# KiCad board m-blanc.kicad_pcb (continued)
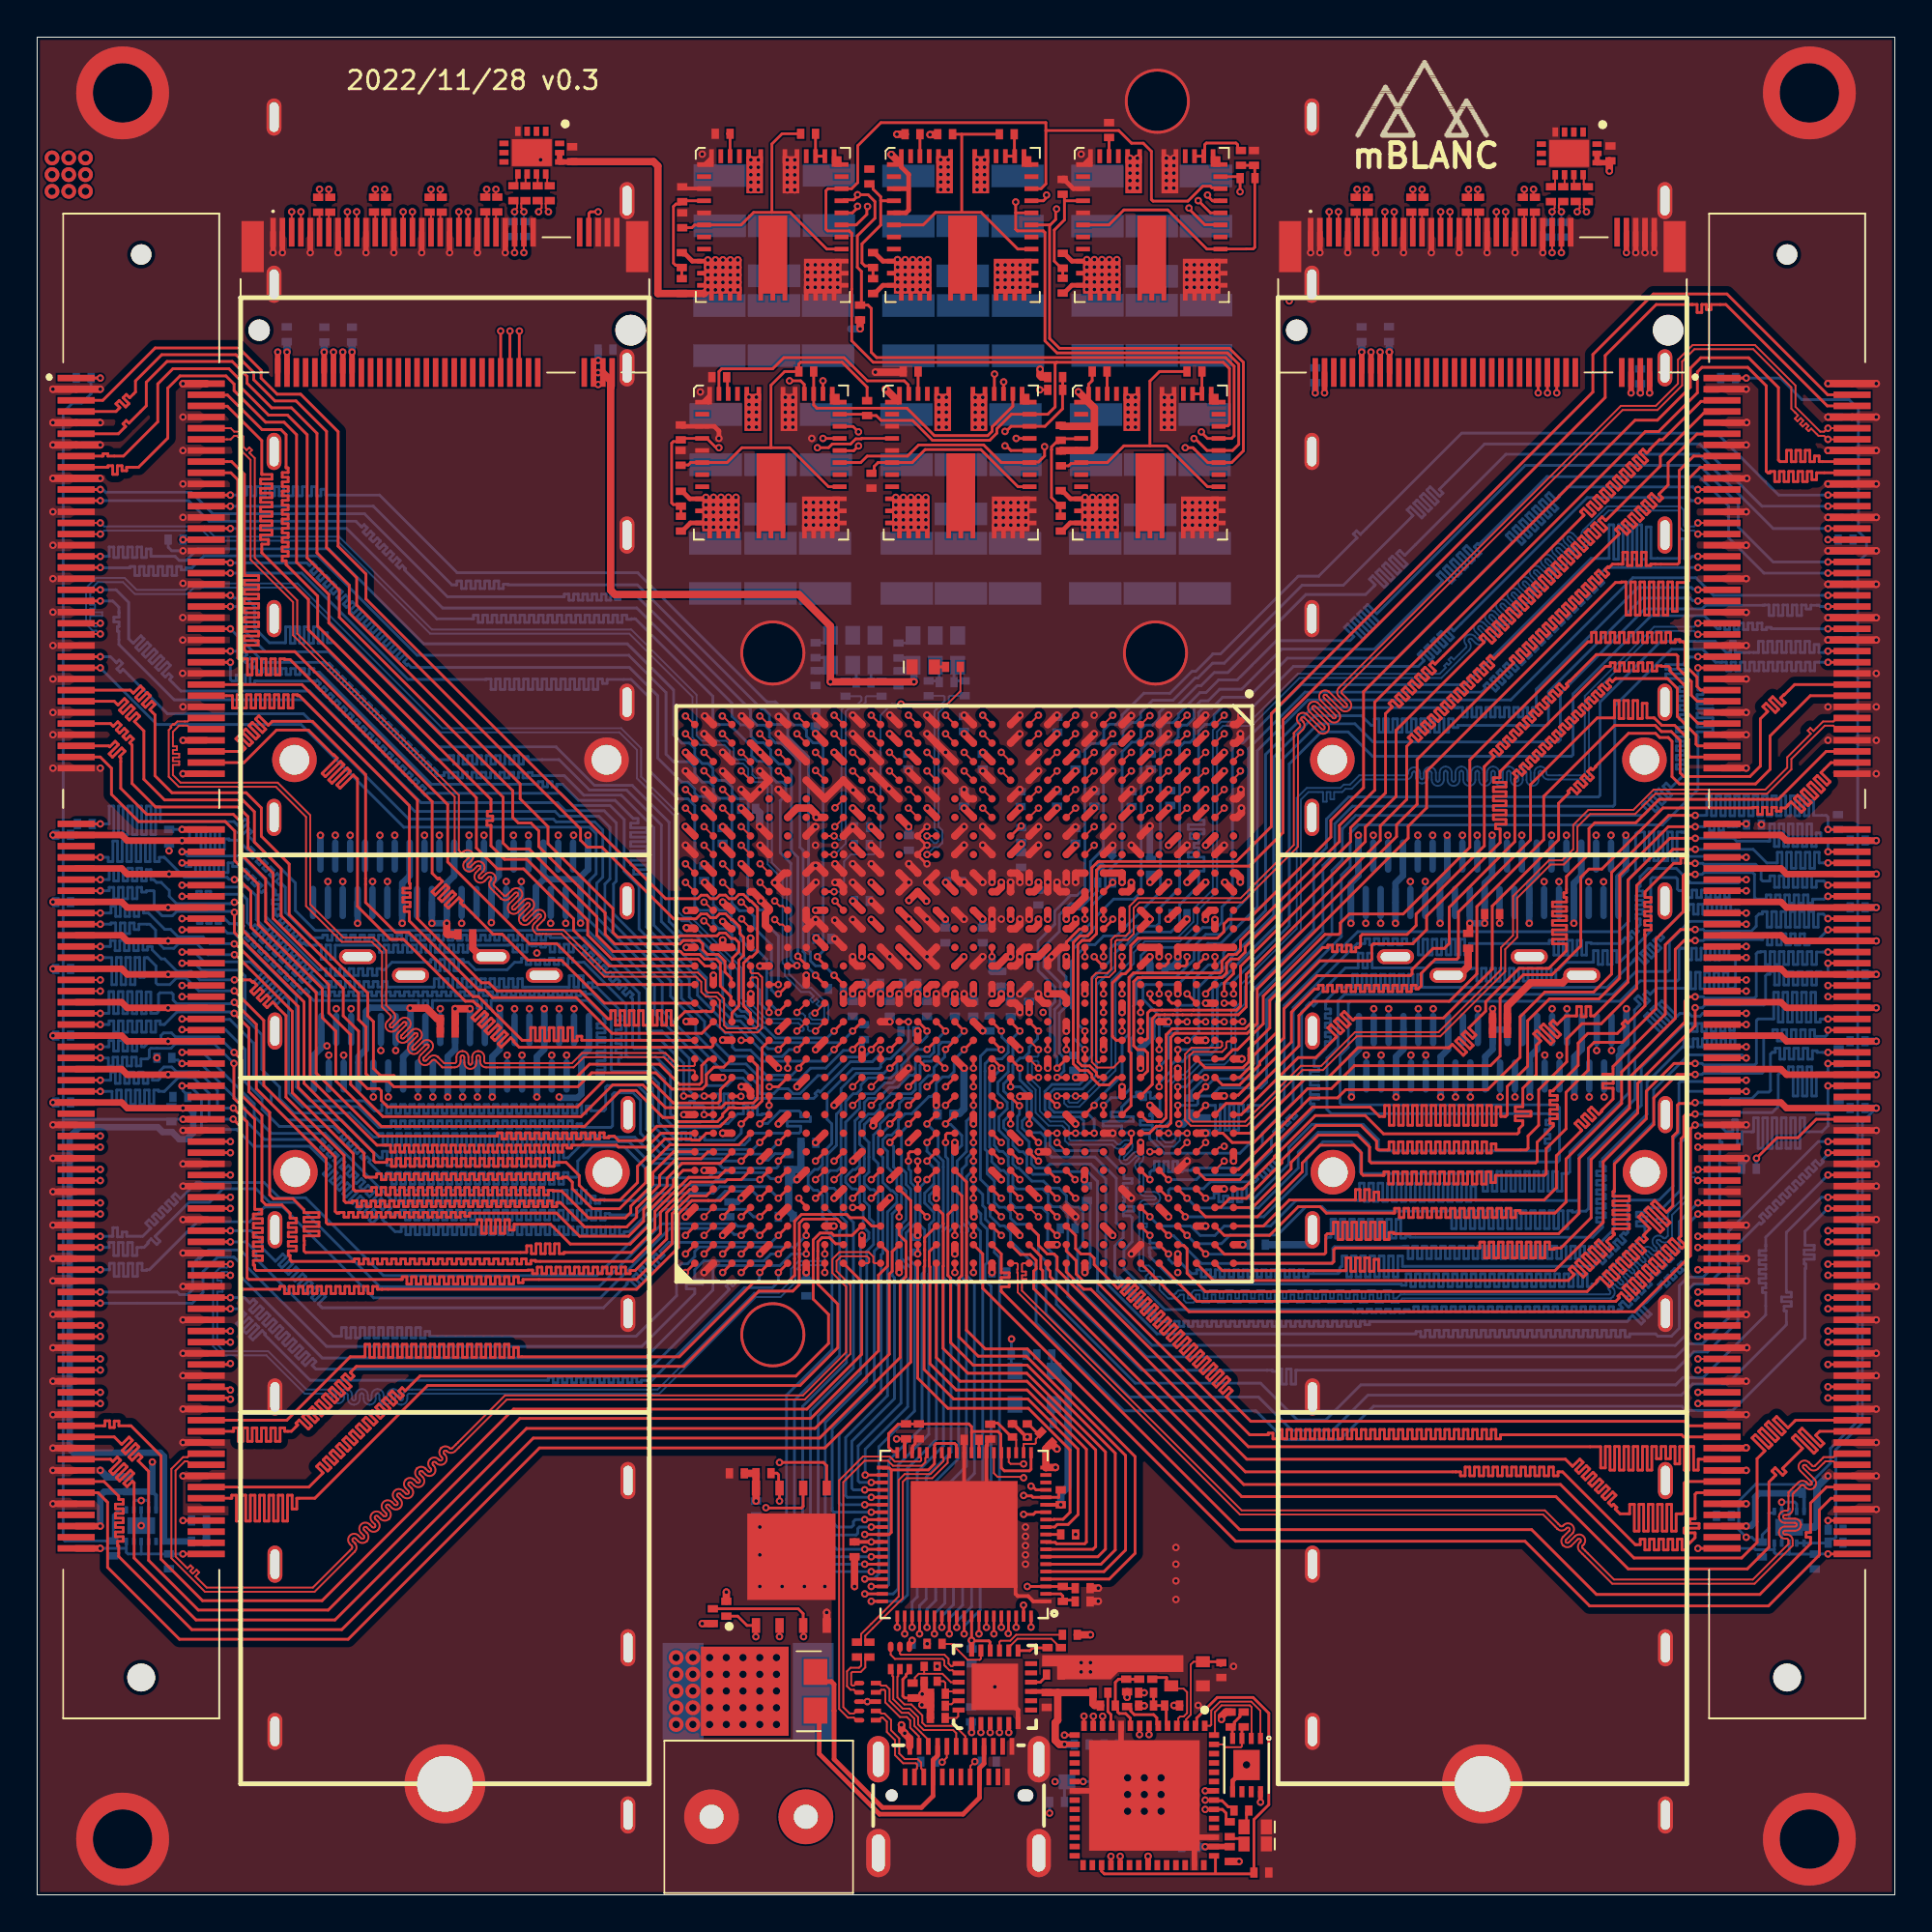
[diagram p0: board, top side]
## Routing (per net, layer and track width the routed paths; a pad name or vN(x,y) marks a point on that pad's centre or on a via; arc(x,y) is an arc through that point) (continued)
DRAM2_DQ18: length 65.1
  Top Layer w0.15: 89.33,66.65 90.7,66.65 DIMM2.51 ; U1.D22 v1(61.4,42.5)
  Bottom Layer w0.15: v1(89.4,66.65) 89.38,66.63 88.97,66.63 88.68,66.34 88.68,66.23 87.67,66.23 87.67,65.98 88.68,65.98 88.68,65.73 87.67,65.73 87.67,65.48 88.68,65.48 88.68,65.03 88.41,65.03 88.41,64.78 88.7,64.78 88.7,64.53 88.41,64.53 88.41,64.28 88.7,64.28 88.7,64.03 88.41,64.03 88.41,63.78 88.7,63.78 88.7,63.53 88.41,63.53 88.41,63.28 88.68,63.28 88.68,62.85 88.24,62.85 88.24,62.6 88.68,62.6 88.68,62.35 88.24,62.35 88.24,62.1 88.68,62.1 88.68,61.85 88.24,61.85 88.24,61.6 88.68,61.6 88.68,61.35 88.24,61.35 88.24,61.1 88.68,61.1 88.68,60.85 88.24,60.85 88.24,60.6 88.68,60.6 88.68,60.33 87.95,59.6 87.7,59.85 87.52,59.67 87.99,59.2 87.82,59.02 87.29,59.54 87.12,59.37 87.64,58.84 87.46,58.67 86.94,59.19 86.76,59.01 87.29,58.49 87.11,58.31 86.59,58.84 86.41,58.66 86.71,58.36 86.46,58.11 70.98,58.11 70.26,57.38 70.26,55.7 69.7,55.15 69.7,51.71 66.19,48.19 66.19,43.74 65.88,43.43 63.63,43.43 63.21,43.01 62.57,43.01 62.48,42.92 62.48,42.59 62.4,42.5 v1(61.4,42.5)
DRAM2_DQ19: length 64.2
  Top Layer w0.15: U1.C22 v1(62.9,42.5) ; v1(89.4,66.05) DIMM2.53
  Bottom Layer w0.15: v1(62.9,42.5) 63.43,42.5 63.43,41.17 63.68,41.17 63.68,42.54 63.93,42.54 63.93,41.17 64.18,41.17 64.18,42.54 64.43,42.54 64.43,41.17 64.68,41.17 64.68,42.54 64.93,42.54 64.93,42.18 65.18,42.18 65.18,42.5 65.93,42.5 66.7,43.27 66.7,48.07 70.2,51.58 70.2,54.9 70.68,55.37 70.68,57.15 71.13,57.6 87.5,57.6 89.4,59.5 89.4,62.36 89.35,62.36 89.35,62.61 90.2,62.61 90.2,62.86 89.35,62.86 89.35,63.11 90.2,63.11 90.2,63.36 89.35,63.36 89.35,63.61 90.2,63.61 90.2,63.86 89.35,63.86 89.35,64.11 90.2,64.11 90.2,64.36 89.35,64.36 89.35,64.61 89.67,64.61 89.67,64.86 89.4,64.86 v1(89.4,66.05)
DRAM2_DQ20: length 57.2
  Top Layer w0.15: v1(60.4,45.5) U1.E18 ; v1(96.4,69.95) DIMM2.40
  Bottom Layer w0.15: v1(96.4,69.95) 90.24,69.95 89.29,70.9 85.9,70.9 79.32,64.32 68.41,64.32 65.68,61.59 65.68,53.17 63.72,51.22 63.02,51.22 62.53,50.73 62.53,50.12 61.41,49 59.66,49 59.53,48.87 59.53,48.21 60.4,47.33 v1(60.4,45.5)
DRAM2_DQ21: length 61
  Top Layer w0.15: U1.D19 v1(61.4,45.5) ; v1(96.4,69.35) DIMM2.42
  Bottom Layer w0.15: v1(61.4,45.5) 63.02,45.5 63.28,45.75 63.28,49.07 63.65,49.44 63.95,49.44 66.96,52.45 66.96,61.04 68.95,63.04 70.93,63.04 71.91,62.06 81.88,62.06 81.99,62.18 81.99,64.67 86.54,69.23 89.63,69.23 89.82,69.42 92.98,69.42 92.98,69.43 93.23,69.43 93.23,68.87 93.48,68.87 93.48,69.43 93.73,69.43 93.73,68.87 93.98,68.87 93.98,69.43 94.23,69.43 94.23,68.87 94.48,68.87 94.48,69.43 94.73,69.43 94.73,68.87 94.98,68.87 94.98,69.43 95.23,69.43 95.23,69.22 95.48,69.22 95.48,69.42 95.92,69.42 95.99,69.35 v1(96.4,69.35)
DRAM2_DQ22: length 64.7
  Top Layer w0.15: U1.D21 v1(61.4,43.5) ; v1(96.4,66.95) DIMM2.50
  Bottom Layer w0.15: v1(61.4,43.5) 61.86,43.5 62.77,44.42 65.12,44.42 65.35,44.65 65.35,48.61 68.72,51.98 68.72,55.69 69.4,56.37 69.4,57.9 70.6,59.1 84.04,59.1 84.13,59.19 84.13,64.21 87.4,67.48 89.24,67.48 89.24,67.48 89.56,67.48 89.56,67.48 90.32,67.48 90.92,66.88 91.16,66.88 91.16,67.48 91.41,67.48 91.41,66.87 91.66,66.87 91.66,66.88 91.91,66.88 91.91,66.87 92.16,66.87 92.16,66.88 92.41,66.88 92.41,66.87 92.66,66.87 92.66,67.48 92.91,67.48 92.91,66.87 93.16,66.87 93.16,67.48 93.41,67.48 93.41,66.87 93.66,66.87 93.66,67.48 93.91,67.48 93.91,66.87 94.16,66.87 94.16,67.48 94.41,67.48 94.41,66.87 94.66,66.87 94.66,67.48 94.91,67.48 94.91,66.87 95.16,66.87 95.16,67.48 95.41,67.48 95.41,66.87 95.66,66.87 95.66,67.3 95.91,67.3 95.91,66.88 96.19,66.88 96.21,66.9 96.35,66.9 v1(96.4,66.95)
DRAM2_DQ23: length 63.4
  Top Layer w0.15: U1.C21 v1(62.9,43.5) ; v1(96.4,66.35) DIMM2.52
  Bottom Layer w0.15: v1(62.9,43.5) 62.93,43.5 63.36,43.93 65.44,43.93 65.7,44.19 65.7,48.35 69.22,51.86 69.22,55.42 69.85,56.05 69.85,57.65 70.8,58.6 84.83,58.6 84.92,58.69 84.92,64 87.97,67.05 89.65,67.05 90.35,66.35 90.68,66.35 90.68,66.36 90.93,66.36 90.93,65.89 91.18,65.89 91.18,66.36 91.43,66.36 91.43,65.89 91.68,65.89 91.68,66.36 91.93,66.36 91.93,65.89 92.18,65.89 92.18,66.36 92.43,66.36 92.43,65.89 92.68,65.89 92.68,66.36 92.93,66.36 92.93,65.89 93.18,65.89 93.18,66.36 93.43,66.36 93.43,65.89 93.68,65.89 93.68,66.36 93.93,66.36 93.93,65.89 94.18,65.89 94.18,66.36 94.43,66.36 94.43,65.89 94.68,65.89 94.68,66.36 94.93,66.36 94.93,65.89 95.18,65.89 95.18,66.36 95.43,66.36 95.43,65.89 95.68,65.89 95.68,66.36 95.93,66.36 95.93,66.35 v1(96.4,66.35)
DRAM2_DQ24: length 52.6
  Top Layer w0.15: U1.B19 63.87,45 64.37,45.5 64.61,45.5 66,46.89 66,48.38 69.32,51.7 70.06,51.7 70.15,51.79 70.15,52.32 70.63,52.8 73.53,52.8 77.12,56.39 77.12,61.09 83.48,67.45 83.67,67.45 83.67,67.96 83.92,67.96 83.92,67.41 84.17,67.41 84.17,67.96 84.42,67.96 84.42,67.41 84.67,67.41 84.67,67.96 84.92,67.96 84.92,67.41 85.17,67.41 85.17,67.96 85.42,67.96 85.42,67.41 85.67,67.41 85.67,67.96 85.92,67.96 85.92,67.41 86.17,67.41 86.17,67.96 86.42,67.96 86.42,67.41 86.67,67.41 86.67,67.96 86.92,67.96 86.92,67.41 87.17,67.41 87.17,67.96 87.42,67.96 87.42,67.41 87.67,67.41 87.67,67.96 87.92,67.96 87.92,67.41 88.17,67.41 88.17,67.57 88.42,67.57 88.42,67.45 88.61,67.45 88.7,67.36 88.7,66.2 89.35,65.55 89.35,65.05 89.55,64.85 DIMM2.57
DRAM2_DQ25: length 55.6
  Top Layer w0.15: U1.C19 62.87,44.53 64.91,44.53 65.23,44.84 65.23,45.54 66.35,46.66 66.35,48.15 69.2,51 69.48,51 69.48,51.12 69.73,51.12 69.73,50.77 69.98,50.77 69.98,51.12 70.23,51.12 70.23,50.77 70.48,50.77 70.48,51.12 70.73,51.12 70.73,50.77 70.98,50.77 70.98,51 71.15,51 71.24,51.08 71.24,51.61 71.33,51.7 73.75,51.7 74.23,52.18 74.23,52.8 77.9,56.46 77.9,60.73 78.44,61.27 78.22,61.48 78.4,61.66 78.7,61.36 78.88,61.53 78.58,61.84 78.75,62.01 79.06,61.71 79.23,61.89 78.93,62.19 79.11,62.37 79.41,62.06 79.59,62.24 79.28,62.54 79.46,62.72 79.76,62.42 79.94,62.59 79.64,62.9 79.81,63.07 80.12,62.77 80.3,62.95 79.99,63.25 80.17,63.43 80.47,63.12 80.65,63.3 80.35,63.6 80.52,63.78 80.83,63.48 81,63.65 80.7,63.96 80.88,64.13 81.18,63.83 81.36,64.01 81.05,64.31 81.23,64.49 81.53,64.18 81.71,64.36 81.41,64.66 81.58,64.84 81.89,64.54 82.06,64.71 81.76,65.02 81.94,65.19 82.24,64.89 82.42,65.07 82.31,65.17 82.49,65.35 82.5,65.33 83.93,66.76 88.23,66.76 88.32,66.68 88.32,66.04 89.04,65.31 89.04,64.57 89.37,64.25 DIMM2.59
DRAM2_DQ26: length 55.5
  Top Layer w0.15: DIMM2.67 89.39,61.85 89.3,61.94 89.3,62.42 88.29,63.43 88.29,64.94 87.76,65.47 84.96,65.47 84.79,65.3 84.65,65.44 84.48,65.26 84.7,65.04 84.53,64.86 84.23,65.15 84.06,64.98 84.35,64.68 84.17,64.51 83.88,64.8 83.7,64.62 84,64.33 83.82,64.15 83.52,64.45 83.35,64.27 83.64,63.98 83.47,63.8 83.17,64.09 82.99,63.92 83.29,63.62 83.11,63.44 82.82,63.74 82.64,63.56 82.94,63.27 82.76,63.09 82.46,63.39 82.29,63.21 82.58,62.91 82.41,62.74 82.11,63.03 81.93,62.86 82.23,62.56 82.05,62.38 81.76,62.68 81.58,62.5 81.88,62.21 81.7,62.03 81.4,62.33 81.23,62.15 81.52,61.85 81.35,61.68 81.05,61.97 80.87,61.8 81.17,61.5 80.99,61.32 80.7,61.62 80.52,61.44 80.82,61.15 80.64,60.97 80.34,61.27 80.17,61.09 80.46,60.79 80.28,60.62 79.99,60.91 79.81,60.74 80.11,60.44 79.93,60.26 79.64,60.56 79.46,60.38 79.67,60.17 79.54,60.05 79.54,56.69 76.01,53.17 76.01,51.21 75.75,50.95 75.14,50.95 74.01,49.81 74.01,49.57 73.92,49.48 68.9,49.48 67.11,47.69 67.11,46.13 65.81,44.83 65.81,44.69 64.72,43.6 63.8,43.6 U1.B20
DRAM2_DQ27: length 55.3
  Top Layer w0.15: U1.A21 64.45,43.05 64.65,43.05 67.52,45.91 67.52,47.52 68.77,48.77 68.97,48.77 68.97,48.97 69.22,48.97 69.22,48.62 69.47,48.62 69.47,48.97 69.72,48.97 69.72,48.62 69.97,48.62 69.97,48.97 70.22,48.97 70.22,48.62 70.47,48.62 70.47,48.97 70.72,48.97 70.72,48.62 70.97,48.62 70.97,48.97 71.22,48.97 71.22,48.62 71.47,48.62 71.47,48.97 71.72,48.97 71.72,48.62 71.97,48.62 71.97,48.97 72.22,48.97 72.22,48.62 72.47,48.62 72.47,48.97 72.72,48.97 72.72,48.62 72.97,48.62 72.97,48.97 73.22,48.97 73.22,48.62 73.47,48.62 73.47,48.97 73.72,48.97 73.72,48.62 73.97,48.62 73.97,48.97 74.22,48.97 74.22,48.77 74.34,48.77 74.5,48.92 74.5,49.6 75.26,50.36 76.42,50.36 76.51,50.45 76.51,52.91 80.39,56.79 80.39,59.77 83.98,63.36 84.9,63.36 84.9,64.29 85.15,64.29 85.15,63.32 85.4,63.32 85.4,64.29 85.65,64.29 85.65,63.32 85.9,63.32 85.9,64.29 86.15,64.29 86.15,63.32 86.4,63.32 86.4,64.14 86.65,64.14 86.65,63.36 87.05,63.36 87.45,62.95 88.15,62.95 88.9,62.2 88.9,61.34 88.99,61.25 DIMM2.69
DRAM2_DQ28: length 56
  Top Layer w0.15: DIMM2.56 94.61,65.15 94.04,64.59 94.02,64.6 93.85,64.43 94.1,64.18 93.92,64 93.42,64.5 93.25,64.32 93.74,63.82 93.57,63.65 93.07,64.14 92.89,63.97 93.16,63.7 92.76,63.3 92.76,60.76 92.2,60.2 88.64,60.2 88.44,60.39 88.44,62.14 87.96,62.62 87.43,62.62 87.1,62.95 84.92,62.95 81.1,59.13 81.1,56.8 77.5,53.2 77.5,49.58 76.02,48.1 68.69,48.1 67.92,47.34 67.92,45.7 64.83,42.6 64,42.6 U1.B22
DRAM2_DQ29: length 57.3
  Top Layer w0.15: U1.A22 64.82,42 67.89,45.07 68.83,45.07 69.95,46.19 69.48,46.67 69.65,46.85 70.15,46.35 70.33,46.52 69.83,47.02 70.01,47.2 70.51,46.7 70.68,46.88 70.18,47.38 70.36,47.55 70.84,47.08 70.96,47.2 75.7,47.2 78.33,49.83 78.33,53.23 81.9,56.8 81.9,58.76 82.47,59.33 82.4,59.41 82.58,59.58 82.89,59.27 83.07,59.45 82.75,59.76 82.93,59.94 83.24,59.62 83.42,59.8 83.11,60.11 83.28,60.29 83.6,59.98 83.77,60.15 83.46,60.47 83.64,60.64 83.73,60.55 83.91,60.73 83.89,60.75 85.67,62.53 87.12,62.53 87.34,62.3 87.8,62.3 88,62.1 88,60.19 88.4,59.8 92.5,59.8 93.28,60.58 93.28,62.38 95.45,64.55 DIMM2.58
DRAM2_DQ30: length 57.5
  Top Layer w0.15: DIMM2.68 96.3,61.55 93.72,58.97 87.32,58.97 86.05,57.71 83.85,57.71 83.54,57.4 83.54,56.04 82.32,54.82 82.32,53.94 82.18,53.94 82.18,53.69 82.32,53.69 82.32,53.44 81.57,53.44 81.57,53.19 82.32,53.19 82.32,52.94 81.57,52.94 81.57,52.69 82.32,52.69 82.32,52.44 81.57,52.44 81.57,52.19 82.32,52.19 82.32,51.94 81.57,51.94 81.57,51.69 82.32,51.69 82.32,51.44 81.57,51.44 81.57,51.19 82.32,51.19 82.32,50.82 81.37,49.87 79.77,49.87 77.98,48.08 77.98,47.57 77.07,46.66 77.45,46.28 77.27,46.11 76.89,46.49 76.71,46.31 77.3,45.72 77.12,45.55 76.53,46.14 76.36,45.96 76.95,45.37 76.77,45.19 76.18,45.78 76,45.61 76.01,45.6 76,45.6 71.1,45.6 69.4,43.9 68.22,43.9 65.32,41 U1.A23
DRAM2_DQ31: length 56.7
  Top Layer w0.15: U1.B23 63.83,41 64.33,40.5 65.49,40.5 68.39,43.4 69.67,43.4 70.91,44.64 78.23,44.64 78.75,45.15 78.75,48.27 80.01,49.53 81.55,49.53 83.1,51.08 83.1,54.78 83.53,55.22 84.23,55.22 87.52,58.51 92.37,58.51 92.37,58.54 92.62,58.54 92.62,58.16 92.87,58.16 92.87,58.54 93.12,58.54 93.12,58.16 93.37,58.16 93.37,58.54 93.62,58.54 93.62,58.34 93.87,58.34 93.87,58.51 94.12,58.51 94.25,58.64 94.24,58.66 94.41,58.84 94.97,58.28 95.15,58.45 94.59,59.01 94.77,59.19 95.33,58.63 95.5,58.81 94.94,59.37 95.12,59.55 95.68,58.98 95.86,59.16 95.3,59.72 95.47,59.9 96.04,59.34 96.21,59.51 95.65,60.08 95.83,60.25 96.34,59.74 96.52,59.91 96.02,60.41 96.56,60.95 DIMM2.70
DRAM2_DQ32: length 67.9
  Top Layer w0.15: v1(89.4,40.85) DIMM2.129 ; U1.M17 v1(53.9,46.5)
  Bottom Layer w0.15: v1(89.4,40.85) 90.49,40.85 90.57,40.76 90.57,40.52 90.7,40.52 90.7,40.27 90.57,40.27 90.57,33.49 89.96,32.88 89.18,32.88 88.85,32.55 88.85,30.24 88.18,29.58 60.02,29.58 57.08,32.52 57.08,38.4 56.55,38.93 54.57,38.93 54.43,38.79 53.6,38.79 53.28,39.11 53.28,39.8 53.07,40 52.87,40 52.53,40.34 52.53,40.8 52.03,41.3 52.03,41.66 52.24,41.88 52.25,41.88 52.5,42.12 52.5,42.8 52.03,43.27 52.03,43.66 52.24,43.88 52.4,43.88 52.53,44 52.53,44.66 52.91,45.05 53.09,45.05 53.4,45.35 53.4,45.63 53.85,46.08 53.85,46.45 v1(53.9,46.5)
DRAM2_DQ33: length 75.4
  Top Layer w0.15: U1.N21 52.4,42.95 52.87,42.48 v1(52.88,42.48) ; v1(89.4,40.25) DIMM2.131
  Bottom Layer w0.15: v1(52.88,42.48) 52.88,42.01 52.78,41.91 52.78,41.16 53.4,40.53 53.4,40.2 53.53,40.08 53.53,39.34 53.74,39.12 54.29,39.12 54.51,39.34 56.71,39.34 57.53,38.52 57.53,32.96 60.28,30.2 74.23,30.2 74.23,30.32 74.48,30.32 74.48,30.04 74.73,30.04 74.73,30.39 74.98,30.39 74.98,30.04 75.23,30.04 75.23,30.39 75.48,30.39 75.48,30.04 75.73,30.04 75.73,30.39 75.98,30.39 75.98,30.04 76.23,30.04 76.23,30.39 76.48,30.39 76.48,30.04 76.73,30.04 76.73,30.39 76.98,30.39 76.98,30.04 77.23,30.04 77.23,30.39 77.48,30.39 77.48,30.04 77.73,30.04 77.73,30.39 77.98,30.39 77.98,30.04 78.23,30.04 78.23,30.39 78.48,30.39 78.48,30.04 78.73,30.04 78.73,30.39 78.98,30.39 78.98,30.04 79.23,30.04 79.23,30.39 79.48,30.39 79.48,30.04 79.73,30.04 79.73,30.39 79.98,30.39 79.98,30.04 80.23,30.04 80.23,30.39 80.48,30.39 80.48,30.04 80.73,30.04 80.73,30.39 80.98,30.39 80.98,30.04 81.23,30.04 81.23,30.39 81.48,30.39 81.48,30.04 81.73,30.04 81.73,30.39 81.98,30.39 81.98,30.04 82.22,30.04 82.22,30.39 82.47,30.39 82.47,30.04 82.72,30.04 82.72,30.39 82.97,30.39 82.97,30.04 83.22,30.04 83.22,30.39 83.47,30.39 83.47,30.04 83.72,30.04 83.72,30.39 83.97,30.39 83.97,30.04 84.22,30.04 84.22,30.39 84.47,30.39 84.47,30.04 84.72,30.04 84.72,30.39 84.97,30.39 84.97,30.04 85.22,30.04 85.22,30.39 85.47,30.39 85.47,30.04 85.72,30.04 85.72,30.2 87.12,30.2 87.25,30.07 87.97,30.07 88.4,30.5 88.4,32.8 88.86,33.25 89.68,33.25 90.01,33.59 90.01,40.09 89.85,40.25 v1(89.4,40.25)
DRAM2_DQ34: length 75.5
  Top Layer w0.15: v1(89.4,37.25) DIMM2.141 ; U1.N19 v1(52.9,44.5)
  Bottom Layer w0.15: v1(89.4,37.25) 88.4,36.25 88.4,34.65 88.21,34.47 88.05,34.63 87.87,34.45 88.08,34.25 87.9,34.07 87.7,34.28 87.52,34.1 87.73,33.89 87.55,33.72 87.34,33.92 87.17,33.75 87.37,33.54 87.2,33.36 86.99,33.57 86.81,33.39 86.98,33.23 86.76,33.01 86.9,32.86 86.73,32.69 86.41,33.01 86.23,32.83 86.55,32.51 86.37,32.33 86.05,32.66 85.87,32.48 86.2,32.16 86.02,31.98 85.7,32.3 85.52,32.13 85.84,31.8 85.67,31.63 85.34,31.95 85.17,31.77 85.34,31.6 85.25,31.51 85.1,31.51 85.1,31.38 84.85,31.38 84.85,31.66 84.6,31.66 84.6,31.38 84.35,31.38 84.35,31.66 84.1,31.66 84.1,31.38 83.85,31.38 83.85,31.66 83.6,31.66 83.6,31.38 83.35,31.38 83.35,31.66 83.1,31.66 83.1,31.38 82.85,31.38 82.85,31.66 82.6,31.66 82.6,31.38 82.35,31.38 82.35,31.66 82.1,31.66 82.1,31.38 81.85,31.38 81.85,31.66 81.6,31.66 81.6,31.38 81.35,31.38 81.35,31.66 81.1,31.66 81.1,31.38 80.85,31.38 80.85,31.66 80.6,31.66 80.6,31.38 80.35,31.38 80.35,31.66 80.1,31.66 80.1,31.38 79.85,31.38 79.85,31.66 79.6,31.66 79.6,31.38 79.35,31.38 79.35,31.66 79.1,31.66 79.1,31.38 78.85,31.38 78.85,31.66 78.6,31.66 78.6,31.38 78.35,31.38 78.35,31.66 78.1,31.66 78.1,31.38 77.85,31.38 77.85,31.66 77.6,31.66 77.6,31.38 77.35,31.38 77.35,31.66 77.1,31.66 77.1,31.38 76.85,31.38 76.85,31.66 76.6,31.66 76.6,31.38 76.35,31.38 76.35,31.66 76.1,31.66 76.1,31.38 75.85,31.38 75.85,31.66 75.6,31.66 75.6,31.38 75.35,31.38 75.35,31.66 75.1,31.66 75.1,31.38 74.85,31.38 74.85,31.66 74.6,31.66 74.6,31.38 74.35,31.38 74.35,31.66 74.1,31.66 74.1,31.38 73.85,31.38 73.85,31.51 73.59,31.51 73.59,31.34 73.34,31.34 73.34,31.53 73.09,31.53 73.09,31.34 72.84,31.34 72.84,31.53 72.59,31.53 72.59,31.34 72.34,31.34 72.34,31.53 72.09,31.53 72.09,31.34 71.84,31.34 71.84,31.53 71.59,31.53 71.59,31.34 71.34,31.34 71.34,31.53 71.09,31.53 71.09,31.36 70.84,31.36 70.84,31.51 60.71,31.51 58.5,33.71 58.5,34.72 58.93,35.15 58.93,36.47 58.85,36.55 58.47,36.55 58.47,36.8 59.03,36.8 59.03,37.05 58.47,37.05 58.47,37.3 58.53,37.3 58.53,37.55 58.47,37.55 58.47,37.8 58.67,37.8 58.67,38.05 58.47,38.05 58.47,38.3 58.94,38.3 58.94,38.55 58.5,38.55 58.5,38.79 57.23,40.06 54.81,40.06 54.53,40.34 54.53,40.91 53.53,41.91 53.53,43.24 52.9,43.87 v1(52.9,44.5)
DRAM2_DQ35: length 73.4
  Top Layer w0.15: v1(89.4,36.65) DIMM2.143 ; v1(52.4,43.5) U1.N20
  Bottom Layer w0.15: v1(52.4,43.5) 52.92,43.5 53.28,43.14 53.28,41.91 53.03,41.66 53.03,41.28 53.28,41.03 54.02,41.03 54.28,40.78 54.28,40.06 54.61,39.72 56.94,39.72 58.09,38.57 58.09,36.18 58.46,35.81 58.46,35.39 58.01,34.93 58.01,33.33 58.19,33.15 58.28,33.24 58.45,33.06 58.25,32.86 58.43,32.69 58.63,32.89 58.81,32.71 58.61,32.51 58.79,32.33 58.99,32.53 59.16,32.36 58.96,32.16 59.14,31.98 59.34,32.18 59.52,32 59.32,31.8 59.49,31.63 59.69,31.83 59.87,31.65 59.67,31.45 59.85,31.27 60.05,31.47 60.22,31.3 60.02,31.1 60.2,30.92 60.31,31.03 60.47,30.86 60.72,30.86 60.72,30.87 60.97,30.87 60.97,30.6 61.22,30.6 61.22,30.87 61.47,30.87 61.47,30.6 61.72,30.6 61.72,30.87 61.97,30.87 61.97,30.6 62.22,30.6 62.22,30.87 62.47,30.87 62.47,30.6 62.72,30.6 62.72,30.87 62.97,30.87 62.97,30.6 63.22,30.6 63.22,30.87 63.47,30.87 63.47,30.6 63.72,30.6 63.72,30.87 63.97,30.87 63.97,30.6 64.22,30.6 64.22,30.87 64.47,30.87 64.47,30.6 64.72,30.6 64.72,30.87 64.97,30.87 64.97,30.6 65.22,30.6 65.22,30.87 65.47,30.87 65.47,30.6 65.72,30.6 65.72,30.87 65.97,30.87 65.97,30.6 66.22,30.6 66.22,30.87 66.47,30.87 66.47,30.6 66.72,30.6 66.72,30.87 66.97,30.87 66.97,30.6 67.22,30.6 67.22,30.87 67.47,30.87 67.47,30.6 67.72,30.6 67.72,30.87 67.97,30.87 67.97,30.6 68.22,30.6 68.22,30.87 68.47,30.87 68.47,30.6 68.72,30.6 68.72,30.87 68.97,30.87 68.97,30.6 69.22,30.6 69.22,30.87 69.47,30.87 69.47,30.6 69.72,30.6 69.72,30.87 69.97,30.87 69.97,30.6 70.22,30.6 70.22,30.87 70.47,30.87 70.47,30.6 70.72,30.6 70.72,30.87 70.97,30.87 70.97,30.6 71.22,30.6 71.22,30.87 71.47,30.87 71.47,30.69 71.72,30.69 71.72,30.86 85.59,30.86 85.72,30.99 85.7,31.02 85.88,31.19 86.35,30.72 86.52,30.9 86.05,31.37 86.23,31.55 86.7,31.08 86.88,31.25 86.41,31.72 86.58,31.9 86.61,31.88 87.42,32.69 87.27,32.84 87.45,33.01 87.72,32.74 87.89,32.92 87.62,33.19 87.8,33.37 88.07,33.1 88.25,33.27 87.98,33.54 88.15,33.72 88.42,33.45 88.6,33.63 88.33,33.9 88.51,34.07 88.65,33.93 88.8,34.07 88.8,36.05 v1(89.4,36.65)
DRAM2_DQ36: length 69.1
  Top Layer w0.15: U1.N17 v1(52.9,46.5) ; v1(96.4,40.55) DIMM2.130
  Bottom Layer w0.15: v1(52.9,46.5) 52.53,46.12 52.53,45.18 52.28,44.93 52.28,44.3 51.71,43.74 51.71,43.16 52.22,42.66 52.22,42.32 51.78,41.88 51.78,41.16 52.28,40.66 52.28,40.18 52.53,39.93 52.53,39.34 52.74,39.12 52.84,39.12 53.55,38.42 54.17,38.42 54.55,38.04 55,38.04 55.4,37.64 55.4,37.29 55.67,37.02 56.08,37.02 56.3,36.79 56.3,35 56.01,34.71 56.01,32.68 59.73,28.96 88.2,28.96 88.9,29.66 89.65,29.66 91.06,31.07 91.06,35.73 95.88,40.55 v1(96.4,40.55)
DRAM2_DQ37: length 75.1
  Top Layer w0.15: U1.P21 51.4,42.97 51.84,42.53 v1(51.84,42.5) ; v1(96.4,39.95) DIMM2.132
  Bottom Layer w0.15: v1(96.4,39.95) 96.4,39.88 96.29,39.77 96.29,39.76 96.07,39.53 96.15,39.45 95.97,39.28 95.72,39.53 95.55,39.35 95.8,39.1 95.62,38.92 95.37,39.17 95.19,39 95.44,38.75 95.27,38.57 95.02,38.82 94.84,38.64 95.09,38.39 94.91,38.22 94.66,38.47 94.49,38.29 94.74,38.04 94.56,37.86 94.31,38.11 94.13,37.93 94.38,37.69 94.21,37.51 93.96,37.76 93.78,37.58 94.03,37.33 93.85,37.15 93.6,37.4 93.43,37.23 93.68,36.98 93.5,36.8 93.25,37.05 93.07,36.87 93.32,36.62 93.15,36.45 92.9,36.7 92.72,36.52 92.97,36.27 92.79,36.09 92.71,36.18 91.55,35.02 91.55,30.86 89.91,29.22 89.18,29.22 88.19,28.24 67.75,28.24 67.75,27.49 67.5,27.49 67.5,28.31 67.25,28.31 67.25,27.49 67,27.49 67,28.31 66.75,28.31 66.75,28.18 66.5,28.18 66.5,28.24 59.45,28.24 55.48,32.21 55.48,36.63 55.08,37.04 54.65,37.04 54.42,37.26 54.42,37.7 54.12,38 52.71,38 52.53,38.19 52.53,38.99 52.28,39.24 52.28,39.73 51.98,40.02 51.79,40.02 51.64,40.17 51.64,40.23 51.53,40.34 51.53,42.18 v1(51.84,42.5)
DRAM2_DQ38: length 74.8
  Top Layer w0.15: U1.P17 v1(51.9,46.5) ; v1(96.4,37.55) DIMM2.140
  Bottom Layer w0.15: v1(96.4,37.55) 96.05,37.55 94.16,35.66 94.16,32.43 94.43,32.43 94.43,32.18 93.9,32.18 93.9,31.93 94.43,31.93 94.43,31.68 94.04,31.68 94.04,31.43 94.16,31.43 94.16,30.69 90.97,27.5 89.11,27.5 88.51,26.9 71.64,26.9 69.74,25 67.54,25 65.74,26.8 58.8,26.8 54.3,31.29 54.3,34.1 53.9,34.5 53.9,35.5 53.3,36.1 52.72,36.1 52.4,36.42 52.4,36.72 52.11,37.01 51.79,37.01 51.53,37.28 51.53,37.73 51.53,37.74 51.53,38.43 51.14,38.82 51.14,40.03 51.03,40.14 51.03,44.74 51.29,45 51.93,45 52.28,45.34 52.28,45.83 51.93,46.17 51.93,46.47 v1(51.9,46.5)
DRAM2_DQ39: length 75.2
  Top Layer w0.15: U1.P18 v1(51.9,45.5) ; v1(96.4,36.95) DIMM2.142
  Bottom Layer w0.15: 96.39,36.94 95.16,35.71 95.16,34.96 95.66,34.96 95.66,34.71 95.12,34.71 95.12,34.46 95.66,34.46 95.66,34.21 95.12,34.21 95.12,33.96 95.2,33.96 95.2,33.71 95.16,33.71 95.16,29.97 91.27,26.08 88.76,26.08 88.54,26.3 71.93,26.3 70.13,24.5 67.16,24.5 65.6,26.06 58.5,26.06 53.77,30.79 53.77,33.83 52.4,35.2 52.4,35.68 52.07,36.01 51.82,36.01 51.3,36.54 51.3,37.15 51.2,37.25 51.2,38.1 50.78,38.52 50.78,45.15 51.13,45.5 v1(51.9,45.5)
DRAM2_DQ40: length 55
  Top Layer w0.15: v1(89.4,35.45) DIMM2.147 ; v1(52.4,41.5) U1.N22
  InLayer2 (Signal) w0.15: v1(89.4,35.45) 88.55,36.3 75.7,36.3 75.08,36.92 74.99,36.83 74.81,37.01 75.14,37.34 74.97,37.51 74.46,37.01 74.29,37.19 74.79,37.69 74.61,37.87 74.11,37.36 73.93,37.54 74.43,38.04 74.26,38.22 73.75,37.72 73.58,37.89 74.08,38.4 73.9,38.57 73.4,38.07 73.22,38.25 73.73,38.75 73.55,38.93 73.05,38.42 72.87,38.6 73.37,39.1 73.2,39.28 72.69,38.78 72.52,38.95 73.02,39.46 72.84,39.63 72.34,39.13 72.16,39.31 72.67,39.81 72.49,39.99 72.25,39.75 71.69,40.31 69.03,40.31 67.12,38.39 62.36,38.39 60.66,40.09 60.66,40.27 60.23,40.7 60.23,41.34 59.85,41.72 56.66,41.72 56.13,42.26 55.47,42.26 55.33,42.12 54.46,42.12 54.31,42.28 53.65,42.28 52.87,41.5 v1(52.4,41.5)
DRAM2_DQ41: length 53.9
  Top Layer w0.15: U1.M22 53.42,41.98 53.42,41.61 53.45,41.58 ; v1(89.4,34.85) DIMM2.149
  InLayer2 (Signal) w0.15: v1(89.4,34.85) 88.51,35.74 73.03,35.74 72.7,36.07 72.47,35.84 72.3,36.02 73.03,36.75 72.85,36.93 72.02,36.1 71.84,36.27 72.67,37.1 72.49,37.28 71.66,36.45 71.49,36.63 72.32,37.46 72.14,37.64 71.64,37.13 71.44,37.33 69.27,37.33 68.71,37.89 67.69,37.89 67.3,37.5 67.1,37.5 67.1,37.91 66.85,37.91 66.85,37.46 66.6,37.46 66.6,37.91 66.35,37.91 66.35,37.46 66.1,37.46 66.1,37.91 65.85,37.91 65.85,37.46 65.6,37.46 65.6,37.91 65.35,37.91 65.35,37.46 65.1,37.46 65.1,37.91 64.85,37.91 64.85,37.46 64.6,37.46 64.6,37.91 64.35,37.91 64.35,37.5 63.67,37.5 63.21,37.96 61.72,37.96 61.37,38.31 61.37,38.75 60.37,39.75 60.37,40.12 59.88,40.6 59.88,40.91 59.42,41.38 56.55,41.38 56.05,41.87 53.77,41.87 53.4,41.5
  vias: v1(53.4,41.5)
DRAM2_DQ42: length 55.2
  Top Layer w0.15: v1(89.4,32.45) DIMM2.157 ; U1.P24 v1(51.9,39.5)
  InLayer2 (Signal) w0.15: v1(89.4,32.45) 88.62,32.45 88.06,33.01 86.86,33.01 85.76,31.91 85.26,31.91 85.26,31.86 85.01,31.86 85.01,32.14 84.76,32.14 84.76,31.65 84.51,31.65 84.51,32.14 84.26,32.14 84.26,31.65 84.01,31.65 84.01,32.14 83.76,32.14 83.76,31.65 83.51,31.65 83.51,32.14 83.26,32.14 83.26,31.65 83.01,31.65 83.01,32.14 82.76,32.14 82.76,31.65 82.51,31.65 82.51,32.14 82.26,32.14 82.26,31.65 82.01,31.65 82.01,32.14 81.76,32.14 81.76,31.65 81.51,31.65 81.51,32.14 81.26,32.14 81.26,31.65 81.01,31.65 81.01,32.14 80.76,32.14 80.76,31.65 80.51,31.65 80.51,32.14 80.26,32.14 80.26,31.65 80.01,31.65 80.01,32.14 79.76,32.14 79.76,31.91 73.11,31.91 72.27,32.75 61.25,32.75 58.01,35.99 58.01,38.23 57.05,39.19 54.62,39.19 54.25,38.81 53.22,38.81 53.04,39 52.4,39 v1(51.9,39.5)
DRAM2_DQ43: length 53.9
  Top Layer w0.15: v1(89.4,31.85) DIMM2.159 ; U1.N25 v1(52.9,38.5)
  InLayer2 (Signal) w0.15: v1(52.9,38.5) 54.37,38.5 54.53,38.65 54.53,38.66 54.74,38.88 56.56,38.88 57.5,37.93 57.5,35.34 58.15,34.68 58.16,34.69 58.33,34.51 58.05,34.23 58.23,34.05 58.51,34.33 58.69,34.16 58.41,33.88 58.58,33.7 58.86,33.98 59.04,33.8 58.76,33.52 58.94,33.35 59.22,33.63 59.4,33.45 59.11,33.17 59.29,32.99 59.57,33.27 59.75,33.1 59.47,32.81 59.64,32.64 59.93,32.92 60.1,32.74 60.1,32.74 60.62,32.22 72.02,32.22 73.1,31.14 74.38,31.14 74.38,31.34 74.63,31.34 74.63,30.94 74.88,30.94 74.88,31.34 75.13,31.34 75.13,30.94 75.38,30.94 75.38,31.34 75.63,31.34 75.63,30.94 75.88,30.94 75.88,31.34 76.13,31.34 76.13,30.94 76.38,30.94 76.38,31.34 76.63,31.34 76.63,30.94 76.88,30.94 76.88,31.34 77.13,31.34 77.13,30.94 77.38,30.94 77.38,31.34 77.63,31.34 77.63,30.94 77.88,30.94 77.88,31.19 78.13,31.19 78.13,31.14 85.91,31.14 87.3,32.53 87.94,32.53 88.62,31.85 v1(89.4,31.85)
DRAM2_DQ44: length 55.8
  Top Layer w0.15: v1(96.4,35.75) DIMM2.146 ; U1.P23 v1(51.9,40.5)
  InLayer2 (Signal) w0.15: v1(51.9,40.5) 51.9,41.58 52.23,41.91 52.86,41.91 54.46,43.52 56.16,43.52 56.62,43.06 58.13,43.06 58.56,42.63 59.3,42.63 59.67,43 60.62,43 60.93,42.68 60.93,41.51 61.31,41.13 61.31,41.13 61.4,41.04 61.4,40.47 61.65,40.22 61.65,40.21 61.74,40.12 62.66,40.12 63.66,39.12 66.01,39.12 67.84,40.95 73.67,40.95 77.22,37.4 87.93,37.4 88.59,38.06 91.26,38.06 93.57,35.75 94.38,35.75 94.38,36.16 94.63,36.16 94.63,35.75 v1(96.4,35.75)
DRAM2_DQ45: length 52.3
  Top Layer w0.15: v1(96.4,35.15) DIMM2.148 ; v1(54.9,42.5) 54.87,42.5 54.4,42.97 U1.L21
  InLayer2 (Signal) w0.15: v1(54.9,42.5) 54.97,42.5 55.07,42.61 56.25,42.61 56.74,42.11 60.1,42.11 60.53,41.69 60.53,40.78 61.43,39.87 62.08,39.87 63.2,38.75 66.46,38.75 68.35,40.64 72.69,40.64 76.47,36.86 88.27,36.86 89.13,37.71 89.82,37.71 90.13,37.4 90.17,37.44 90.35,37.26 89.95,36.86 90.13,36.69 90.52,37.08 90.7,36.91 90.3,36.51 90.48,36.33 90.88,36.73 91.05,36.55 90.83,36.33 91.01,36.16 91.19,36.34 91.63,35.9 91.63,35.89 91.84,35.68 91.85,35.68 92.38,35.15 v1(96.4,35.15)
